# KiCad board USB Cable Tester.kicad_pcb (continued)
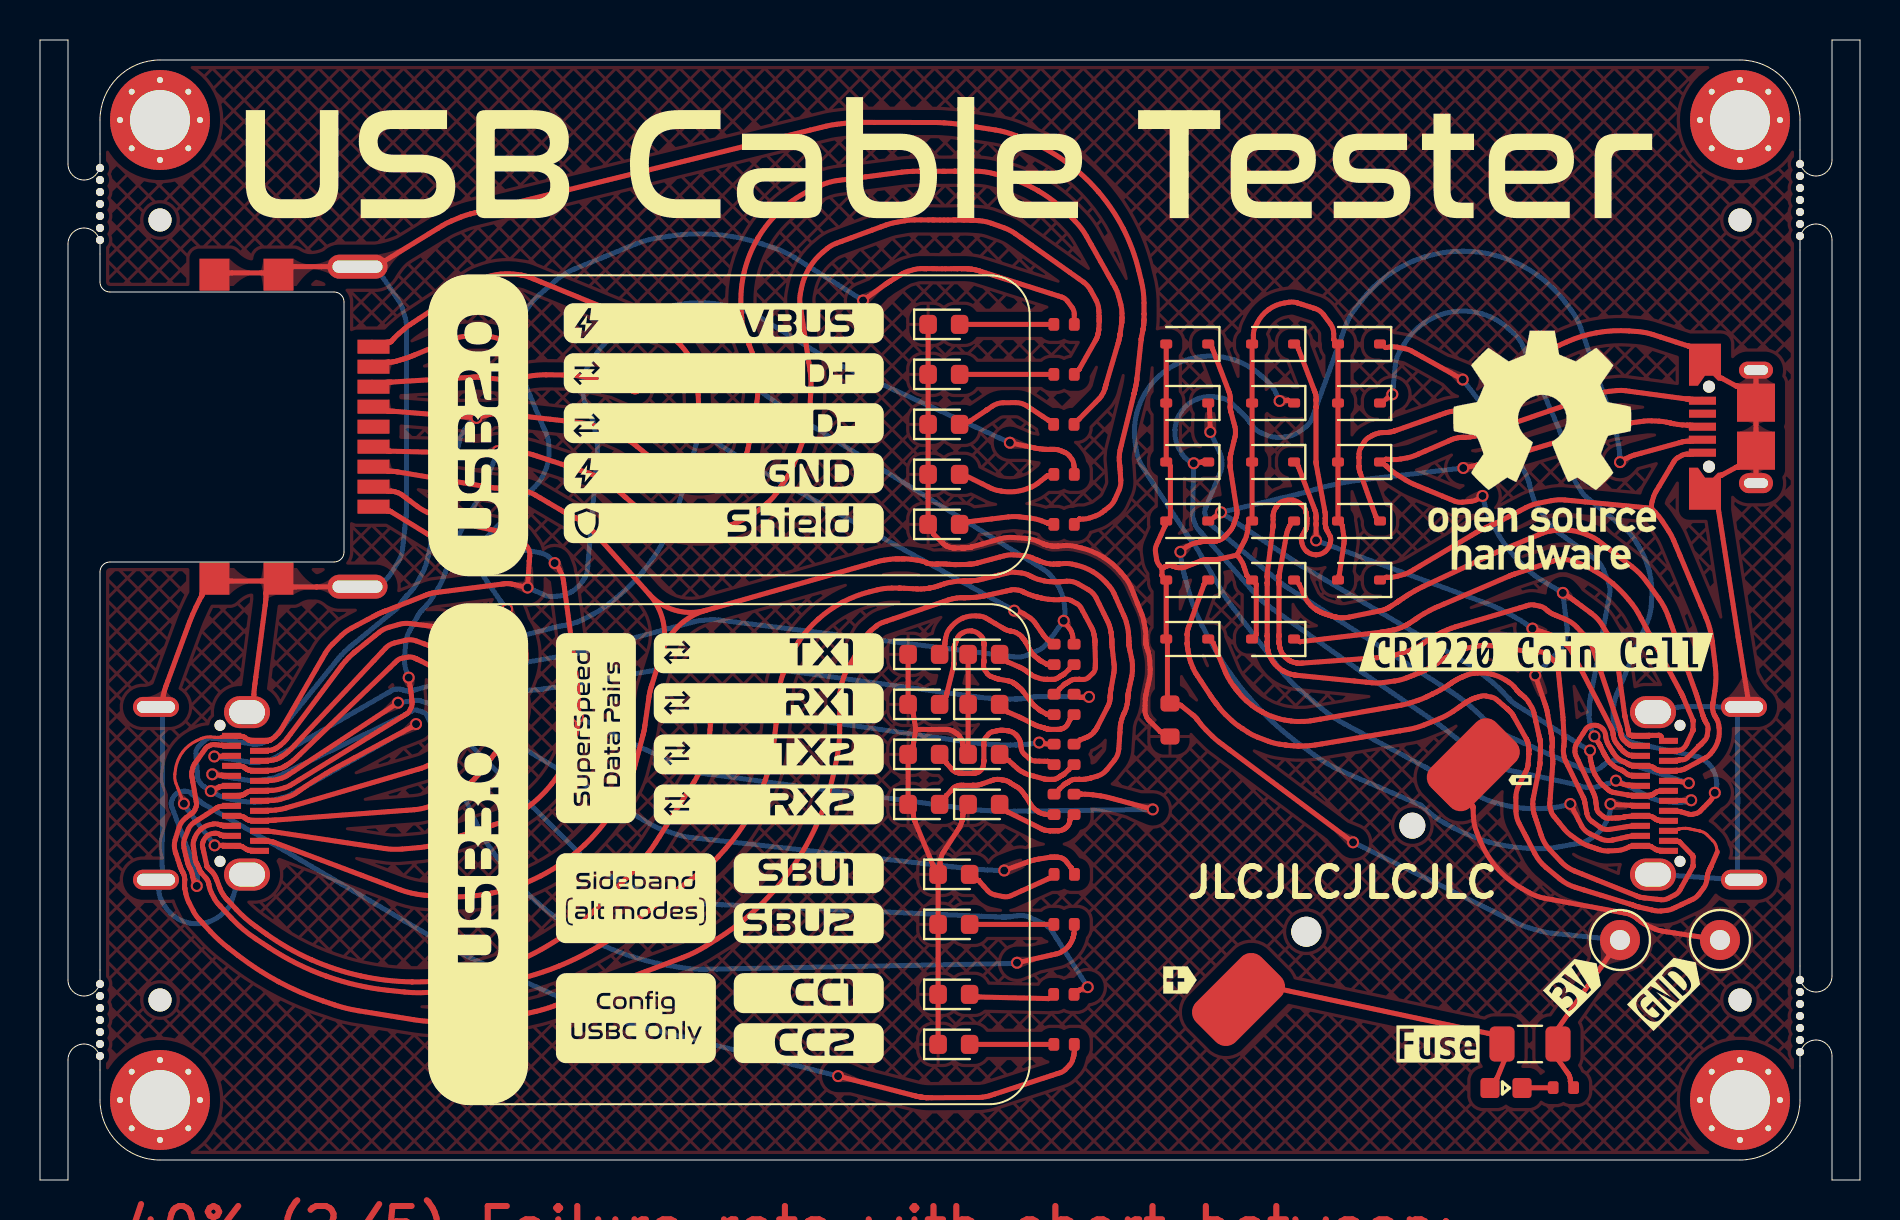
[diagram p0: board, top side]
## Routing (per net, layer and track width the routed paths; a pad name or vN(x,y) marks a point on that pad's centre or on a via; arc(x,y) is an arc through that point) (continued)
/CC1: length 48.5
  Top w0.25: 51.97,9.49 51.97,9.49 arc(51.97,9.49) 51.97,9.49 arc(51.97,9.49) 51.97,9.49 v1(52.39,9.64) ; v1(17.9,23.86) 12.68,20.43 12.34,20.21 arc(12.23,20.15) 12.1,20.1 11.85,20.02 arc(11.72,19.99) 11.58,19.98 11.39,19.98 arc(11.33,19.98) 11.26,19.98 J2.A5
  Bottom w0.25: v1(52.39,9.64) 50.63,12.4 arc(50.42,12.65) 50.14,12.83 49.52,13.12 arc(49.21,13.21) 48.88,13.22 48.48,13.16 arc(48.43,13.16) 48.39,13.15 48.3,13.15 arc(48.26,13.15) 48.22,13.15 48.14,13.15 arc(48.11,13.15) 48.08,13.15 47.77,13.16 arc(47.44,13.17) 47.1,13.18 34.09,13.77 32.71,13.83 arc(32.26,13.87) 31.81,13.95 31.36,14.06 arc(30.48,14.3) 29.63,14.63 arc(28.81,15.04) 28.03,15.52 27.65,15.78 arc(27.28,16.05) 26.94,16.36 25.96,17.33 19.83,23.43 19.53,23.73 arc(19.42,23.81) 19.3,23.87 19.04,23.96 arc(18.9,23.99) 18.76,23.98 18.64,23.96 arc(18.63,23.96) 18.62,23.96 arc(18.61,23.96) 18.6,23.96 arc(18.59,23.95) 18.58,23.95 v1(17.9,23.86)
/CC2: length 59.7
  Top w0.25: v1(39.9,5.2) 43.78,4.2 arc(43.81,4.19) 43.85,4.18 43.93,4.17 arc(43.96,4.16) 44,4.16 44.12,4.14 arc(44.14,4.13) 44.17,4.13 44.22,4.13 arc(44.24,4.12) 44.26,4.12 44.32,4.12 arc(44.33,4.12) 44.33,4.12 arc(44.34,4.12) 44.35,4.12 44.42,4.11 arc(44.5,4.11) 44.58,4.11 46.6,4.13 arc(46.62,4.13) 46.63,4.13 arc(46.65,4.13) 46.67,4.13 46.72,4.12 arc(46.73,4.12) 46.75,4.12 46.76,4.12 arc(46.76,4.13) 46.77,4.13 arc(46.77,4.13) 46.78,4.13 46.79,4.13 arc(46.81,4.13) 46.82,4.13 46.94,4.13 arc(47.03,4.13) 47.12,4.14 47.29,4.17 arc(47.38,4.18) 47.47,4.21 47.72,4.29 51.02,5.37 arc(51.16,5.43) 51.27,5.52 51.48,5.74 arc(51.57,5.86) 51.63,5.99 51.67,6.14 arc(51.67,6.14) 51.67,6.14 arc(51.67,6.14) 51.67,6.14 51.68,6.2 51.69,6.23 arc(51.7,6.26) 51.7,6.29 51.71,6.36 arc(51.71,6.39) 51.71,6.43 51.71,6.46 ; v1(7.84,14.7) 7.75,14.85 arc(7.72,14.9) 7.7,14.95 7.67,15.05 arc(7.65,15.1) 7.64,15.15 7.62,15.27 arc(7.61,15.32) 7.59,15.37 7.56,15.46 arc(7.54,15.51) 7.52,15.55 7.47,15.64 arc(7.45,15.68) 7.43,15.71 7.4,15.79 arc(7.39,15.82) 7.38,15.86 7.2,16.61 arc(7.18,16.84) 7.23,17.07 7.41,17.52 arc(7.53,17.72) 7.7,17.88 8.32,18.27 8.86,18.62 arc(8.89,18.64) 8.93,18.65 8.99,18.67 arc(9.03,18.68) 9.07,18.68 9.16,18.68 arc(9.23,18.68) 9.29,18.69 J2.B5
  Bottom w0.25: v1(39.9,5.2) 30.27,7.63 29.26,7.88 arc(28.93,7.97) 28.6,8.08 27.94,8.3 arc(27.61,8.42) 27.29,8.56 26.34,8.98 21.92,10.93 21.4,11.16 arc(21.23,11.24) 21.06,11.32 20.72,11.5 arc(20.56,11.58) 20.39,11.68 11.62,16.82 arc(11.61,16.83) 11.6,16.83 arc(11.6,16.84) 11.59,16.84 8.2,18.78 8.15,18.81 arc(8.14,18.82) 8.12,18.83 8.09,18.86 arc(8.07,18.87) 8.06,18.88 7.53,19.35 arc(7.44,19.41) 7.34,19.43 7.24,19.44 arc(7.03,19.42) 6.84,19.33 arc(6.7,19.19) 6.6,19 6.57,18.9 arc(6.55,18.8) 6.57,18.7 6.69,18.4 7.48,16.27 arc(7.49,16.27) 7.49,16.26 arc(7.49,16.25) 7.5,16.24 7.7,15.73 7.81,15.44 arc(7.84,15.34) 7.86,15.23 7.88,15.03 arc(7.88,14.92) 7.86,14.82 7.84,14.72 arc(7.84,14.72) 7.84,14.71 v1(7.84,14.7)
/D+: length 77.9
  Top w0.25: v1(18.43,25.12) 18.52,24.6 arc(18.54,24.5) 18.55,24.41 18.57,24.22 arc(18.58,24.12) 18.59,24.03 18.6,23.81 arc(18.6,23.72) 18.56,23.63 18.48,23.46 arc(18.42,23.38) 18.35,23.32 12.94,20 12.53,19.74 arc(12.39,19.67) 12.24,19.61 11.93,19.53 arc(11.77,19.49) 11.61,19.48 11.39,19.48 arc(11.33,19.48) 11.26,19.48 10.69,19.44 arc(10.63,19.43) 10.56,19.43 10.5,19.43 arc(10.49,19.43) 10.49,19.43 10.48,19.43 arc(10.48,19.43) 10.47,19.43 10.4,19.41 arc(10.38,19.4) 10.36,19.4 10.33,19.37 arc(10.31,19.36) 10.29,19.35 10.28,19.34 arc(10.28,19.34) 10.28,19.33 arc(10.27,19.33) 10.27,19.33 10.26,19.32 arc(10.24,19.3) 10.23,19.29 10.19,19.27 arc(10.17,19.26) 10.15,19.26 10.09,19.24 arc(10.08,19.24) 10.08,19.24 arc(10.08,19.24) 10.07,19.23 10.06,19.23 arc(10.06,19.23) 10.06,19.23 9.99,19.23 arc(9.93,19.23) 9.86,19.23 J2.B6 ; 51.96,40.54 51.96,40.54 arc(51.96,40.54) 51.96,40.54 51.96,40.54 arc(51.96,40.54) 51.96,40.54 51.96,40.55 arc(51.97,40.55) 51.97,40.55 arc(51.97,40.55) 51.97,40.55 52.75,41.94 52.8,42.02 arc(52.82,42.05) 52.83,42.08 52.86,42.14 arc(52.87,42.17) 52.88,42.21 52.89,42.27 arc(52.9,42.3) 52.91,42.34 52.91,42.34 arc(52.92,42.37) 52.92,42.39 52.93,42.43 arc(52.93,42.45) 52.93,42.47 52.94,42.5 arc(52.94,42.51) 52.94,42.53 arc(52.94,42.55) 52.94,42.56 52.96,42.95 arc(52.96,42.97) 52.96,42.98 52.96,43 arc(52.96,43.01) 52.96,43.02 52.94,43.48 arc(52.9,43.75) 52.8,44 52.53,44.49 arc(52.38,44.71) 52.17,44.9 51.49,45.38 49.57,46.74 48.77,47.31 arc(48.5,47.48) 48.2,47.61 47.58,47.83 arc(47.27,47.92) 46.95,47.97 46.53,48 arc(46.49,48) 46.44,48 46.35,48 arc(46.3,48) 46.26,48 46.23,48 arc(46.21,48) 46.2,48 arc(46.19,48) 46.17,48 46.16,48 arc(46.14,48) 46.11,48 45.79,48 arc(45.76,48) 45.73,48 arc(45.7,48) 45.67,48 45.4,48 arc(45.3,48) 45.19,48 arc(45.09,48) 44.99,48 44.71,48 arc(44.69,48) 44.66,48 arc(44.63,48) 44.61,48 43.74,48.01 arc(43.5,47.99) 43.25,47.96 42.77,47.88 arc(42.53,47.82) 42.3,47.75 41.6,47.49 40.57,47.11 39.81,46.83 arc(39.57,46.72) 39.35,46.57 39.14,46.39 arc(38.76,46.01) 38.45,45.58 arc(38.22,45.1) 38.07,44.58 38.02,44.31 arc(37.99,44.05) 38.01,43.78 38.13,42.98 38.5,40.48 arc(38.54,40.07) 38.55,39.67 38.53,39.26 arc(38.46,38.45) 38.32,37.65 arc(38.11,36.87) 37.82,36.11 37.66,35.73 arc(37.48,35.37) 37.27,35.02 37.05,34.69 arc(37.05,34.68) 37.04,34.67 arc(37.03,34.66) 37.03,34.65 36.84,34.37 arc(36.63,34.1) 36.38,33.86 36.12,33.64 arc(35.56,33.24) 34.95,32.92 arc(34.3,32.68) 33.63,32.55 arc(32.94,32.5) 32.26,32.56 arc(31.59,32.71) 30.94,32.95 30.63,33.09 arc(30.33,33.26) 30.05,33.46 28.69,34.64 arc(28.51,34.78) 28.31,34.91 27.89,35.15 arc(27.68,35.25) 27.46,35.34 26.78,35.56 25.35,36.03 24.64,36.26 arc(24.4,36.33) 24.16,36.37 23.66,36.44 arc(23.41,36.46) 23.16,36.46 v1(22.88,36.44) 22.22,36.27 arc(22.13,36.25) 22.04,36.24 21.85,36.23 arc(21.76,36.22) 21.67,36.23 20.98,36.32 arc(20.87,36.33) 20.75,36.34 20.53,36.36 arc(20.41,36.37) 20.3,36.37 19.96,36.38 17.52,36.44 arc(17.5,36.44) 17.49,36.44 arc(17.47,36.44) 17.46,36.44 17.41,36.44 arc(17.35,36.45) 17.29,36.46 16.68,36.67
  Bottom w0.25: v1(22.88,36.44) 22.32,34.96 22.25,34.77 arc(22.17,34.59) 22.09,34.41 21.91,34.05 arc(21.82,33.88) 21.71,33.71 21.54,33.44 arc(21.49,33.36) 21.45,33.28 21.36,33.12 arc(21.32,33.04) 21.28,32.96 20.89,32.1 arc(20.88,32.08) 20.87,32.06 20.85,32.01 arc(20.84,31.99) 20.83,31.96 20.81,31.89 20.26,30.36 20.16,30.1 arc(20.06,29.85) 19.92,29.61 19.63,29.14 arc(19.48,28.91) 19.3,28.7 19.06,28.45 arc(19.03,28.42) 19.01,28.39 18.96,28.33 arc(18.94,28.3) 18.92,28.26 18.72,27.89 18.48,27.45 arc(18.35,27.14) 18.28,26.81 18.23,26.13 arc(18.23,25.79) 18.31,25.47 v1(18.43,25.12)
/D-: length 107.4
  Top w0.25: 51.95,38.04 51.95,38.04 arc(51.95,38.04) 51.95,38.04 51.95,38.04 arc(51.95,38.04) 51.95,38.04 52.97,39.08 arc(53.03,39.15) 53.08,39.22 53.17,39.38 arc(53.21,39.46) 53.24,39.55 53.28,39.7 arc(53.28,39.7) 53.28,39.7 arc(53.28,39.71) 53.28,39.71 53.28,39.72 arc(53.29,39.73) 53.29,39.74 53.3,39.78 arc(53.31,39.82) 53.33,39.87 53.93,41.93 arc(53.94,41.97) 53.95,42.01 53.97,42.08 arc(53.98,42.12) 53.98,42.15 53.99,42.18 arc(53.99,42.19) 53.99,42.2 arc(53.99,42.2) 53.99,42.21 53.99,42.23 arc(53.99,42.24) 54,42.25 arc(54,42.27) 54,42.28 54,42.28 arc(54,42.29) 54,42.31 54.07,42.72 arc(54.07,42.77) 54.08,42.81 54.09,42.85 arc(54.09,42.86) 54.09,42.86 arc(54.09,42.86) 54.09,42.86 54.09,42.89 arc(54.09,42.92) 54.09,42.95 54.1,43.01 arc(54.1,43.04) 54.1,43.07 54.1,43.33 arc(54.08,43.56) 54.04,43.78 53.93,44.22 arc(53.85,44.43) 53.76,44.64 52.56,46.77 52.32,47.19 arc(52.06,47.59) 51.75,47.95 51.42,48.29 arc(50.7,48.92) 49.91,49.46 arc(49.06,49.88) 48.16,50.19 47.7,50.32 arc(47.23,50.41) 46.75,50.44 45.78,50.44 45.74,50.44 arc(45.72,50.44) 45.7,50.44 45.26,50.44 arc(45.23,50.44) 45.19,50.44 arc(45.16,50.44) 45.13,50.44 44.69,50.44 arc(44.67,50.44) 44.65,50.44 arc(44.62,50.44) 44.6,50.44 44.21,50.44 arc(44.17,50.44) 44.14,50.44 44.12,50.44 arc(44.1,50.44) 44.09,50.44 43.93,50.44 arc(43.79,50.44) 43.65,50.44 43.37,50.42 arc(43.23,50.41) 43.09,50.39 42.67,50.34 39.9,49.98 arc(39.45,49.88) 39.02,49.72 38.6,49.53 arc(37.8,49.08) 37.07,48.52 arc(36.43,47.86) 35.9,47.11 arc(35.49,46.28) 35.21,45.41 arc(35.07,44.5) 35.06,43.58 35.09,43.12 arc(35.15,42.66) 35.28,42.22 35.44,41.8 arc(35.45,41.79) 35.45,41.78 arc(35.46,41.76) 35.46,41.75 35.61,41.37 arc(35.73,40.96) 35.8,40.54 35.88,39.7 arc(35.88,39.27) 35.83,38.85 35.59,37.57 35.4,36.58 arc(35.3,36.27) 35.12,36 34.91,35.75 arc(34.42,35.31) 33.85,35.01 arc(33.21,34.87) 32.56,34.89 32.23,34.95 arc(31.92,35.04) 31.64,35.21 30.88,35.84 29.84,36.69 arc(29.42,36.98) 28.97,37.21 28.03,37.61 arc(27.55,37.77) 27.05,37.86 26.54,37.92 25.52,38.04 23.01,38.32 arc(22.92,38.33) 22.83,38.33 22.65,38.31 arc(22.57,38.3) 22.48,38.28 v1(21.82,38.1) 17.79,38.43 17.69,38.43 arc(17.66,38.44) 17.63,38.44 17.57,38.44 arc(17.54,38.44) 17.51,38.44 17.41,38.44 arc(17.35,38.45) 17.29,38.46 16.68,38.67 ; v1(8.54,19.45) 8.54,19.45 arc(8.55,19.45) 8.55,19.45 8.56,19.45 arc(8.56,19.46) 8.57,19.46 8.92,19.63 arc(8.93,19.63) 8.93,19.64 8.94,19.64 arc(8.94,19.64) 8.95,19.64 arc(8.95,19.65) 8.96,19.65 8.97,19.66 arc(8.99,19.66) 9.01,19.67 9.04,19.68 arc(9.06,19.68) 9.08,19.68 9.16,19.68 arc(9.23,19.68) 9.29,19.69 J2.B7 ; v1(18.8,22.8) 18.8,22.79 arc(18.79,22.79) 18.79,22.79 18.77,22.77 arc(18.74,22.75) 18.71,22.73 18.65,22.69 arc(18.62,22.67) 18.59,22.65 18.5,22.6 15.69,21.09 14.86,20.65 arc(14.59,20.49) 14.32,20.33 13.78,20.01 arc(13.51,19.84) 13.25,19.66 12.78,19.34 arc(12.61,19.24) 12.42,19.16 12.04,19.04 arc(11.85,19) 11.65,18.98 11.39,18.98 arc(11.33,18.98) 11.26,18.98 J2.A7
  Bottom w0.25: v1(21.82,38.1) 21.81,38.1 arc(21.81,38.09) 21.8,38.09 21.66,38 arc(21.52,37.89) 21.4,37.76 21.19,37.47 arc(21.1,37.32) 21.04,37.16 20.89,36.64 19.77,32.71 arc(19.73,32.56) 19.69,32.41 arc(19.65,32.25) 19.62,32.1 19.34,30.92 arc(19.26,30.65) 19.14,30.39 18.87,29.88 arc(18.72,29.64) 18.54,29.42 18.29,29.15 arc(18.25,29.11) 18.22,29.07 18.15,28.99 arc(18.12,28.95) 18.09,28.91 18.07,28.87 arc(18.06,28.86) 18.06,28.85 arc(18.06,28.85) 18.05,28.84 18.02,28.8 arc(17.99,28.75) 17.95,28.7 17.87,28.61 arc(17.83,28.57) 17.78,28.53 17.65,28.41 15.6,26.74 arc(15.57,26.71) 15.53,26.68 15.5,26.66 arc(15.5,26.65) 15.49,26.65 15.4,26.57 arc(15.32,26.5) 15.24,26.42 15.08,26.26 arc(15,26.17) 14.93,26.09 11.8,22.23 arc(11.65,22.09) 11.47,21.99 11.07,21.84 arc(10.87,21.79) 10.67,21.79 10.04,21.89 9.02,22.05 arc(8.95,22.06) 8.88,22.07 8.81,22.08 arc(8.81,22.08) 8.81,22.08 8.6,22.1 arc(8.4,22.08) 8.24,21.97 7.93,21.68 arc(7.83,21.52) 7.8,21.32 7.84,20.69 7.88,20.15 arc(7.9,20.06) 7.93,19.99 8.02,19.84 arc(8.07,19.77) 8.13,19.72 8.21,19.67 arc(8.21,19.67) 8.21,19.66 arc(8.21,19.66) 8.21,19.66 v1(8.54,19.45) 8.55,19.44 arc(8.55,19.44) 8.56,19.43 8.8,19.3 arc(9.06,19.18) 9.33,19.1 9.61,19.03 arc(10.16,18.92) 10.73,18.89 arc(11.29,18.93) 11.85,19.04 12.12,19.11 arc(12.39,19.2) 12.65,19.33 13.39,19.74 18.52,22.61 18.61,22.66 arc(18.64,22.68) 18.66,22.69 18.72,22.73 arc(18.74,22.75) 18.77,22.77 18.79,22.79 arc(18.79,22.79) 18.8,22.79 v1(18.8,22.8)
/RX1+: length 73.3
  Top w0.25: 50.96,24.54 50.96,24.54 arc(50.96,24.54) 50.96,24.54 50.96,24.54 arc(50.97,24.54) 50.97,24.54 51.2,24.77 arc(51.21,24.78) 51.22,24.78 51.24,24.8 arc(51.25,24.81) 51.26,24.81 51.28,24.82 arc(51.28,24.82) 51.29,24.82 51.3,24.83 arc(51.32,24.84) 51.34,24.85 51.35,24.86 arc(51.37,24.87) 51.38,24.88 arc(51.4,24.89) 51.42,24.9 51.54,24.98 arc(51.57,24.99) 51.6,25 51.66,25.02 arc(51.7,25.03) 51.73,25.03 51.94,25.03 arc(51.95,25.03) 51.95,25.03 51.96,25.03 arc(51.97,25.03) 51.97,25.03 51.97,25.03 arc(51.97,25.03) 51.98,25.03 arc(51.98,25.03) 51.98,25.03 51.99,25.03 arc(51.99,25.03) 52,25.03 52.01,25.03 arc(52.01,25.03) 52.02,25.03 arc(52.02,25.03) 52.03,25.03 52.17,25.03 arc(52.31,25.06) 52.43,25.13 52.65,25.34 arc(52.73,25.46) 52.76,25.6 52.77,25.86 arc(52.77,25.88) 52.77,25.9 arc(52.77,25.93) 52.77,25.95 52.75,26.75 arc(52.75,26.8) 52.75,26.86 52.75,26.9 arc(52.75,26.91) 52.75,26.92 arc(52.75,26.92) 52.75,26.93 52.75,26.94 arc(52.75,26.95) 52.75,26.96 52.74,26.98 arc(52.74,26.99) 52.74,27.01 arc(52.74,27.02) 52.74,27.03 52.74,27.03 arc(52.74,27.04) 52.74,27.05 arc(52.73,27.07) 52.73,27.08 52.73,27.09 arc(52.73,27.09) 52.73,27.09 arc(52.73,27.1) 52.73,27.1 52.69,27.31 arc(52.68,27.35) 52.67,27.4 52.64,27.5 arc(52.62,27.54) 52.6,27.59 52.05,28.61 arc(51.96,28.73) 51.84,28.82 51.56,28.97 arc(51.42,29.03) 51.26,29.04 51.11,29.03 arc(51.11,29.03) 51.1,29.03 arc(51.09,29.02) 51.08,29.02 50.96,29.02 arc(50.82,29.01) 50.69,29.02 50.43,29.04 arc(50.3,29.05) 50.17,29.08 49.82,29.16 arc(49.73,29.18) 49.64,29.21 49.46,29.28 arc(49.37,29.31) 49.28,29.35 49.09,29.44 arc(49.01,29.48) 48.92,29.49 48.75,29.51 arc(48.66,29.52) 48.57,29.5 47.19,29.2 arc(47.1,29.18) 47.01,29.17 46.84,29.14 arc(46.75,29.13) 46.66,29.13 46.57,29.12 arc(46.57,29.12) 46.57,29.12 46.54,29.12 arc(46.52,29.12) 46.5,29.12 arc(46.48,29.12) 46.47,29.12 46.43,29.12 arc(46.4,29.12) 46.37,29.12 arc(46.34,29.12) 46.31,29.12 46.26,29.12 arc(46.25,29.12) 46.24,29.12 46.21,29.12 arc(46.21,29.12) 46.2,29.12 46.19,29.12 arc(46.19,29.12) 46.18,29.12 46.16,29.12 arc(46.14,29.12) 46.12,29.12 46.01,29.11 arc(45.92,29.11) 45.82,29.1 45.64,29.06 arc(45.55,29.04) 45.46,29.02 45.2,28.93 42.66,28.06 42.14,27.88 arc(41.97,27.8) 41.82,27.7 41.53,27.46 arc(41.4,27.33) 41.3,27.18 41.02,26.69 40.3,25.41 arc(40.24,25.28) 40.19,25.14 40.1,24.87 arc(40.06,24.73) 40.03,24.58 40.01,24.35 arc(40,24.3) 40,24.25 39.99,24.16 arc(39.99,24.11) 39.99,24.07 39.99,23.8 arc(39.99,23.76) 39.99,23.72 arc(39.99,23.67) 39.99,23.63 39.98,22.38 arc(39.94,21.73) 39.84,21.08 39.7,20.43 arc(39.37,19.16) 38.91,17.94 arc(38.33,16.76) 37.63,15.65 arc(36.83,14.61) 35.92,13.66 arc(34.93,12.8) 33.86,12.05 33.3,11.7 arc(32.72,11.38) 32.12,11.12 30.27,10.42 27.2,9.27 25.76,8.72 arc(25.28,8.56) 24.78,8.43 24.28,8.31 arc(23.28,8.11) 22.26,7.97 arc(21.24,7.9) 20.21,7.9 19.7,7.92 arc(19.19,7.95) 18.68,8.02 17.38,8.23 16.8,8.32 15.89,8.47 arc(15.3,8.59) 14.72,8.76 14.15,8.95 arc(13.02,9.39) 11.93,9.91 arc(10.89,10.53) 9.9,11.23 9.42,11.6 arc(8.96,11.99) 8.53,12.42 8.12,12.86 arc(8.12,12.86) 8.11,12.86 arc(8.11,12.87) 8.11,12.87 7.95,13.04 arc(7.79,13.23) 7.67,13.44 7.45,13.88 arc(7.35,14.1) 7.29,14.33 7.24,14.57 arc(7.24,14.57) 7.24,14.58 arc(7.24,14.58) 7.24,14.59 7.24,14.6 arc(7.23,14.62) 7.23,14.63 7.23,14.67 arc(7.23,14.68) 7.23,14.7 7.23,14.98 arc(7.23,14.99) 7.23,15 arc(7.23,15.01) 7.23,15.02 7.23,15.06 arc(7.23,15.11) 7.22,15.16 7.2,15.26 arc(7.18,15.31) 7.16,15.35 7.13,15.4 arc(7.13,15.41) 7.12,15.42 7.11,15.44 arc(7.09,15.48) 7.08,15.51 7.05,15.58 arc(7.03,15.61) 7.02,15.65 6.77,16.41 arc(6.72,16.72) 6.76,17.02 6.95,17.62 arc(7.09,17.9) 7.3,18.12 7.64,18.37 arc(7.7,18.43) 7.74,18.51 7.81,18.67 arc(7.83,18.75) 7.82,18.84 7.78,19.09 7.64,19.91 7.59,20.21 arc(7.58,20.31) 7.59,20.41 7.64,20.61 arc(7.67,20.7) 7.72,20.79 8.28,21.58 arc(8.33,21.64) 8.4,21.68 8.54,21.75 arc(8.61,21.77) 8.69,21.77 9.09,21.73 arc(9.09,21.73) 9.09,21.73 arc(9.09,21.73) 9.09,21.73 9.1,21.73 arc(9.1,21.73) 9.1,21.73 9.16,21.73 arc(9.23,21.73) 9.29,21.73 J2.B11
/RX1-: length 46.4
  Top w0.25: v1(8.71,21.18) 8.78,21.18 arc(8.78,21.18) 8.78,21.18 arc(8.78,21.18) 8.78,21.18 9.1,21.18 arc(9.1,21.18) 9.1,21.18 9.16,21.18 arc(9.23,21.18) 9.29,21.19 J2.B10 ; v1(52.45,24.16) 52.13,24.14 arc(52.11,24.13) 52.09,24.13 52.08,24.13 arc(52.06,24.13) 52.04,24.13 52.03,24.13 arc(52.02,24.13) 52.02,24.13 52.02,24.13 arc(52.02,24.13) 52.02,24.13
  Bottom w0.25: v1(52.45,24.16) 50.08,24.17 49.92,24.17 arc(49.86,24.17) 49.81,24.16 49.7,24.15 arc(49.65,24.15) 49.59,24.14 49.43,24.11 arc(49.34,24.09) 49.25,24.08 49.07,24.07 arc(48.98,24.06) 48.89,24.05 48.72,24.05 48.51,24.05 arc(48.26,24.05) 48.01,24.06 47.5,24.08 arc(47.25,24.1) 47,24.13 46.25,24.24 33.83,25.94 arc(33.75,25.95) 33.66,25.95 33.49,25.95 arc(33.4,25.94) 33.32,25.93 33.07,25.89 26.83,24.81 arc(26.78,24.8) 26.72,24.79 26.67,24.79 arc(26.66,24.78) 26.65,24.78 26.65,24.78 arc(26.65,24.78) 26.64,24.78 arc(26.64,24.78) 26.64,24.78 25.32,24.58 25.08,24.54 arc(25.01,24.53) 24.93,24.52 24.77,24.51 arc(24.69,24.5) 24.61,24.5 24.37,24.49 23.33,24.46 arc(23.18,24.46) 23.03,24.47 22.73,24.51 arc(22.58,24.53) 22.43,24.56 21.99,24.68 21.1,24.92 arc(21.09,24.93) 21.08,24.93 21.08,24.93 arc(21.07,24.93) 21.06,24.93 arc(21.06,24.94) 21.05,24.94 20.97,24.96 arc(20.88,24.98) 20.79,24.99 20.61,24.99 arc(20.52,24.98) 20.43,24.96 20.16,24.89 18.57,24.46 arc(18.52,24.45) 18.47,24.44 18.38,24.45 arc(18.33,24.45) 18.28,24.46 18.03,24.54 arc(17.96,24.55) 17.89,24.55 17.75,24.53 arc(17.68,24.52) 17.62,24.49 17.44,24.38 12.32,21.44 11.76,21.12 arc(11.57,21.03) 11.37,20.97 10.95,20.9 arc(10.74,20.88) 10.53,20.89 9.9,20.99 9.06,21.11 arc(9.05,21.12) 9.04,21.12 arc(9.03,21.12) 9.02,21.12 8.99,21.13 arc(8.98,21.13) 8.97,21.13 8.96,21.13 arc(8.96,21.13) 8.96,21.13 arc(8.95,21.14) 8.95,21.14 8.92,21.14 arc(8.89,21.15) 8.86,21.16 8.8,21.17 arc(8.77,21.17) 8.74,21.17 v1(8.71,21.18)
/RX2+: length 86.7
  Top w0.25: 31.09,26.34 30.57,24.68 30.55,24.62 arc(30.53,24.55) 30.51,24.49 30.49,24.37 arc(30.47,24.3) 30.46,24.24 30.43,24.05 30.23,22.61 arc(30.22,22.56) 30.21,22.51 30.19,22.42 arc(30.18,22.37) 30.17,22.32 30.08,21.99 29.71,20.59 arc(29.5,19.96) 29.2,19.37 28.86,18.8 arc(28.11,17.71) 27.21,16.74 arc(26.18,15.9) 25.05,15.21 arc(23.84,14.69) 22.56,14.34 arc(21.25,14.17) 19.92,14.18 19.26,14.24 arc(18.6,14.34) 17.97,14.53 16.1,15.23 11.72,16.87 11.64,16.9 arc(11.62,16.91) 11.59,16.92 11.54,16.93 arc(11.51,16.93) 11.48,16.93 11.39,16.93 arc(11.33,16.93) 11.26,16.94 J2.A11 ; 31.09,26.34 arc(31.92,27.69) 33.29,28.48 ; 31.09,26.34 arc(31.16,27.91) 30.45,29.31 ; 30.45,29.31 27.5,32.6 arc(27.42,32.69) 27.32,32.77 27.11,32.92 arc(27.01,32.99) 26.9,33.05 26.76,33.11 arc(26.75,33.12) 26.73,33.13 26.67,33.16 arc(26.59,33.19) 26.51,33.23 26.36,33.31 arc(26.29,33.35) 26.21,33.4 24.76,34.25 arc(24.53,34.36) 24.29,34.44 23.78,34.57 arc(23.53,34.61) 23.27,34.61 22.93,34.6 arc(22.88,34.59) 22.83,34.6 22.73,34.6 arc(22.68,34.61) 22.63,34.61 17.78,35.42 arc(17.74,35.43) 17.69,35.43 17.61,35.44 arc(17.56,35.44) 17.52,35.44 17.41,35.44 arc(17.35,35.45) 17.29,35.46 16.68,35.67 ; 30.45,29.31 arc(31.75,28.49) 33.29,28.48 ; 33.29,28.48 41.47,30.8 41.9,30.93 arc(42.05,30.96) 42.2,30.99 42.49,31.03 arc(42.64,31.05) 42.79,31.05 43.23,31.06 arc(43.39,31.05) 43.55,31.04 43.86,30.99 arc(44.01,30.96) 44.16,30.93 44.3,30.89 arc(44.31,30.88) 44.31,30.87 arc(44.31,30.86) 44.32,30.85 44.37,30.84 arc(44.44,30.82) 44.5,30.81 44.63,30.8 arc(44.7,30.79) 44.76,30.79 44.92,30.8 arc(44.98,30.8) 45.04,30.8 45.17,30.8 arc(45.23,30.8) 45.29,30.8 45.67,30.77 arc(45.69,30.77) 45.7,30.77 45.73,30.77 arc(45.75,30.77) 45.77,30.77 46.06,30.77 arc(46.09,30.77) 46.12,30.77 46.13,30.77 arc(46.15,30.77) 46.17,30.77 arc(46.2,30.77) 46.22,30.77 46.25,30.78 arc(46.3,30.78) 46.35,30.78 46.39,30.78 arc(46.41,30.78) 46.42,30.79 46.55,30.79 arc(46.59,30.8) 46.64,30.8 46.72,30.82 arc(46.76,30.82) 46.81,30.83 47.99,31.15 48.22,31.21 arc(48.45,31.25) 48.69,31.26 49.16,31.22 arc(49.39,31.18) 49.62,31.1 49.84,31 arc(49.86,31) 49.87,30.99 49.9,30.98 arc(49.94,30.96) 49.99,30.95 50.19,30.87 arc(50.27,30.85) 50.35,30.83 50.51,30.8 arc(50.59,30.79) 50.67,30.79 50.86,30.8 arc(50.89,30.8) 50.92,30.8 50.94,30.8 arc(50.95,30.81) 50.96,30.81 51.19,30.82 arc(51.41,30.82) 51.63,30.79 51.84,30.74 arc(52.26,30.61) 52.65,30.41 arc(53,30.16) 53.32,29.86 53.46,29.69 arc(53.6,29.52) 53.7,29.33 54.23,28.13 arc(54.28,28.01) 54.32,27.89 54.38,27.64 arc(54.4,27.51) 54.42,27.38 54.43,27.19 arc(54.43,27.16) 54.44,27.12 54.44,27.11 arc(54.44,27.09) 54.44,27.06 arc(54.44,27.04) 54.44,27.01 54.44,26.96 arc(54.44,26.95) 54.44,26.94 arc(54.44,26.94) 54.44,26.93 54.44,26.91 arc(54.44,26.9) 54.44,26.89 arc(54.44,26.88) 54.44,26.87 54.45,26.79 arc(54.45,26.78) 54.45,26.77 54.45,26.73 arc(54.45,26.71) 54.46,26.69 54.46,26.64 arc(54.47,26.62) 54.47,26.6 54.59,26.01 arc(54.61,25.88) 54.62,25.74 54.62,25.47 arc(54.61,25.34) 54.59,25.2 54.43,24.42 arc(54.42,24.4) 54.42,24.38 54.41,24.34 arc(54.41,24.32) 54.41,24.3 54.39,24.19 arc(54.39,24.18) 54.39,24.16 54.39,24.13 arc(54.39,24.12) 54.39,24.11 54.39,24.1 arc(54.39,24.09) 54.39,24.08 arc(54.39,24.08) 54.39,24.07 54.38,23.98 arc(54.37,23.89) 54.36,23.79 54.31,23.61 arc(54.28,23.51) 54.25,23.42 54.21,23.35 arc(54.21,23.34) 54.2,23.32 arc(54.2,23.31) 54.19,23.3 54.16,23.23 arc(54.12,23.14) 54.09,23.05 54.04,22.87 arc(54.03,22.77) 54.02,22.68 53.99,22.32 53.94,21.54 arc(53.87,21.25) 53.73,20.99 53.34,20.51 arc(53.12,20.31) 52.85,20.19 52.55,20.1 arc(52.55,20.1) 52.55,20.1 arc(52.55,20.1) 52.55,20.1 52.46,20.08 arc(52.46,20.08) 52.46,20.08 52.4,20.07 arc(52.35,20.06) 52.3,20.05 52.19,20.03 arc(52.13,20.03) 52.08,20.03 52.03,20.03 arc(52.02,20.03) 52.02,20.03 arc(52.01,20.03) 52.01,20.03 52,20.03 arc(51.99,20.03) 51.99,20.03 51.98,20.03 arc(51.98,20.03) 51.98,20.03 arc(51.97,20.03) 51.97,20.03 51.97,20.03 arc(51.97,20.03) 51.96,20.03 51.95,20.03 arc(51.95,20.03) 51.94,20.03 51.73,20.03 arc(51.7,20.03) 51.66,20.02 51.6,20 arc(51.57,19.99) 51.54,19.98 51.43,19.9 arc(51.42,19.9) 51.42,19.9 arc(51.42,19.9) 51.42,19.9 51.41,19.9 arc(51.41,19.89) 51.4,19.89 51.37,19.87 arc(51.36,19.87) 51.36,19.86 51.35,19.86 arc(51.35,19.86) 51.35,19.86 arc(51.35,19.86) 51.35,19.86 51.34,19.85 arc(51.32,19.84) 51.31,19.83 51.29,19.82 arc(51.28,19.82) 51.28,19.82 51.26,19.81 arc(51.25,19.81) 51.24,19.8 51.22,19.78 arc(51.21,19.78) 51.2,19.77 50.97,19.54 arc(50.97,19.54) 50.96,19.54 50.96,19.54 arc(50.96,19.54) 50.96,19.54 50.96,19.54
/RX2-: length 70.2
  Top w0.25: J2.A10 11.26,17.44 arc(11.33,17.43) 11.39,17.43 11.47,17.43 arc(11.49,17.43) 11.51,17.43 11.56,17.43 arc(11.58,17.43) 11.6,17.42 11.66,17.41 17.24,16.57 arc(17.67,16.53) 18.1,16.55 18.96,16.62 arc(19.39,16.68) 19.8,16.8 21.8,17.46 23.1,17.89 arc(23.51,18.07) 23.9,18.3 24.27,18.56 arc(24.97,19.14) 25.58,19.8 arc(26.09,20.55) 26.48,21.37 26.65,21.79 arc(26.79,22.22) 26.86,22.67 v1(26.9,23.14) 26.91,23.24 arc(26.91,23.34) 26.92,23.43 26.92,23.61 arc(26.92,23.71) 26.92,23.8 26.89,24.55 arc(26.89,24.59) 26.89,24.63 26.88,24.7 arc(26.88,24.74) 26.87,24.78 26.86,24.9 26.22,29.6 26.17,30 arc(26.14,30.14) 26.09,30.26 25.98,30.51 arc(25.91,30.63) 25.83,30.74 25.74,30.84 arc(25.74,30.84) 25.73,30.84 v1(25.73,30.85) ; v1(23.2,31.08) 23.14,31.08 22.76,31.06 arc(22.36,31.07) 21.96,31.14 21.17,31.34 arc(20.78,31.47) 20.42,31.65 17.53,33.43 arc(17.53,33.43) 17.52,33.43 17.5,33.44 arc(17.49,33.44) 17.48,33.44 17.41,33.44 arc(17.35,33.45) 17.29,33.46 16.68,33.67 ; v1(55.64,18.53) 53.98,18.97 53.41,19.13 arc(53.22,19.17) 53.03,19.2 52.65,19.26 arc(52.45,19.28) 52.26,19.29 52.05,19.29 arc(52.04,19.29) 52.03,19.29 52.02,19.29
  Bottom w0.25: v1(55.64,18.53) 49.41,18.45 48.4,18.43 arc(48.06,18.44) 47.72,18.45 47.05,18.49 arc(46.72,18.52) 46.38,18.55 45.38,18.69 33.43,20.29 33.03,20.34 arc(32.9,20.37) 32.77,20.4 32.51,20.48 arc(32.38,20.52) 32.26,20.57 31.9,20.75 v1(26.9,23.14) ; v1(25.73,30.85) 25.73,30.85 arc(25.73,30.85) 25.72,30.85 25.52,31.08 arc(25.29,31.26) 25.02,31.36 24.43,31.47 arc(24.13,31.48) 23.85,31.4 v1(23.2,31.08)
/SBU1: length 45.4
  Top w0.25: J2.A8 11.26,18.48 arc(11.33,18.48) 11.39,18.48 11.56,18.48 arc(11.67,18.49) 11.78,18.5 12.01,18.53 arc(12.12,18.55) 12.22,18.58 12.55,18.67 18.54,20.43 19.05,20.58 arc(19.22,20.64) 19.38,20.72 19.69,20.88 arc(19.84,20.97) 19.98,21.08 20.12,21.19 arc(20.12,21.19) 20.13,21.2 arc(20.13,21.2) 20.13,21.21 20.26,21.31 arc(20.38,21.43) 20.48,21.56 20.57,21.71 arc(20.72,22.01) 20.82,22.33 arc(20.87,22.66) 20.87,22.99 20.85,23.16 arc(20.82,23.33) 20.77,23.49 v1(20.69,23.66) ; v1(48.21,15.47) 49.45,15.93 arc(49.52,15.95) 49.59,15.97 49.74,16.01 arc(49.81,16.02) 49.88,16.04 50.43,16.12 arc(50.43,16.12) 50.43,16.12 arc(50.43,16.13) 50.44,16.13 50.46,16.13 arc(50.46,16.13) 50.46,16.13 arc(50.46,16.13) 50.46,16.13 50.5,16.13 arc(50.51,16.14) 50.52,16.14 50.54,16.14 arc(50.55,16.14) 50.56,16.14 arc(50.57,16.14) 50.58,16.14 50.6,16.14 arc(50.62,16.14) 50.65,16.14 50.66,16.14 arc(50.67,16.14) 50.68,16.14 50.69,16.14 arc(50.7,16.14) 50.7,16.14 arc(50.71,16.14) 50.72,16.14 50.72,16.14 arc(50.74,16.14) 50.75,16.14 50.76,16.14 arc(50.78,16.14) 50.81,16.14 50.82,16.14 arc(50.83,16.14) 50.84,16.14 arc(50.85,16.14) 50.86,16.14 50.89,16.14 arc(50.9,16.14) 50.91,16.13 50.94,16.13 arc(50.95,16.13) 50.95,16.13 51.02,16.12 arc(51.07,16.1) 51.12,16.08 51.21,16.03 arc(51.25,16) 51.29,15.96 51.56,15.61 arc(51.56,15.61) 51.56,15.61 arc(51.56,15.61) 51.56,15.6 51.56,15.6 arc(51.56,15.6) 51.56,15.6 51.56,15.6
  Bottom w0.25: v1(20.69,23.66) 20.7,23.65 arc(20.71,23.65) 20.72,23.64 20.75,23.62 arc(20.78,23.6) 20.82,23.58 29.58,18.35 30.5,17.81 arc(30.82,17.64) 31.15,17.51 31.82,17.28 arc(32.17,17.19) 32.52,17.13 33.58,17.01 46.37,15.58 arc(46.62,15.55) 46.88,15.53 47.39,15.5 arc(47.64,15.49) 47.89,15.48 v1(48.21,15.47)
/SBU2: length 52
  Top w0.25: v1(8.61,20.28) 8.62,20.28 arc(8.62,20.28) 8.63,20.28 9.06,20.24 arc(9.06,20.23) 9.07,20.23 9.08,20.23 arc(9.09,20.23) 9.09,20.23 9.16,20.23 arc(9.23,20.23) 9.29,20.23 J2.B8 ; v1(48.85,10.86) 50.54,11.24 50.86,11.31 arc(50.96,11.35) 51.05,11.4 51.23,11.51 arc(51.32,11.58) 51.39,11.65 51.45,11.74 arc(51.46,11.74) 51.46,11.74 51.49,11.78 arc(51.52,11.83) 51.55,11.88 51.6,11.98 arc(51.62,12.03) 51.64,12.09 51.66,12.14 arc(51.66,12.14) 51.66,12.14 arc(51.66,12.14) 51.66,12.14 51.67,12.2 51.68,12.21 arc(51.68,12.23) 51.68,12.24 51.69,12.27 arc(51.69,12.29) 51.69,12.31 51.71,12.46
  Bottom w0.25: v1(48.85,10.86) 48.76,10.85 arc(48.7,10.84) 48.63,10.84 48.5,10.83 arc(48.43,10.82) 48.36,10.82 35.14,10.57 33.22,10.54 arc(32.59,10.56) 31.96,10.64 31.33,10.75 arc(30.09,11.03) 28.88,11.43 arc(27.71,11.94) 26.6,12.57 arc(25.56,13.29) 24.59,14.12 arc(23.71,15.04) 22.92,16.03 22.54,16.55 arc(22.2,17.09) 21.9,17.65 21.11,19.39 19.54,22.81 19.35,23.21 arc(19.27,23.33) 19.15,23.4 18.87,23.49 arc(18.73,23.5) 18.59,23.46 18.25,23.26 arc(18.25,23.26) 18.24,23.25 arc(18.24,23.25) 18.23,23.25 18.22,23.24 arc(18.21,23.24) 18.21,23.24 18.19,23.23 12.66,20.55 11.95,20.21 arc(11.71,20.11) 11.46,20.06 10.95,19.98 arc(10.69,19.96) 10.44,19.98 9.24,20.17 arc(9.17,20.18) 9.1,20.19 arc(9.03,20.2) 8.96,20.22 8.7,20.27 arc(8.69,20.27) 8.68,20.28 8.66,20.28 arc(8.65,20.28) 8.63,20.28 v1(8.61,20.28)
